# Altium PCB mini-inverter.PcbDoc (part 2 of 3)
Units mil, origin at the board's own origin, x right, y up, seen from the top; angles counter-clockwise.
Board outline 12850 x 6950 mil, 4 copper layers (Top Layer, Lay1, gnd, Bottom Layer), stack 23.756 mil thick; 473 components, 243 nets, 1278 pads, 73 vias.
Unrouted connection lines stored in the file: 289.
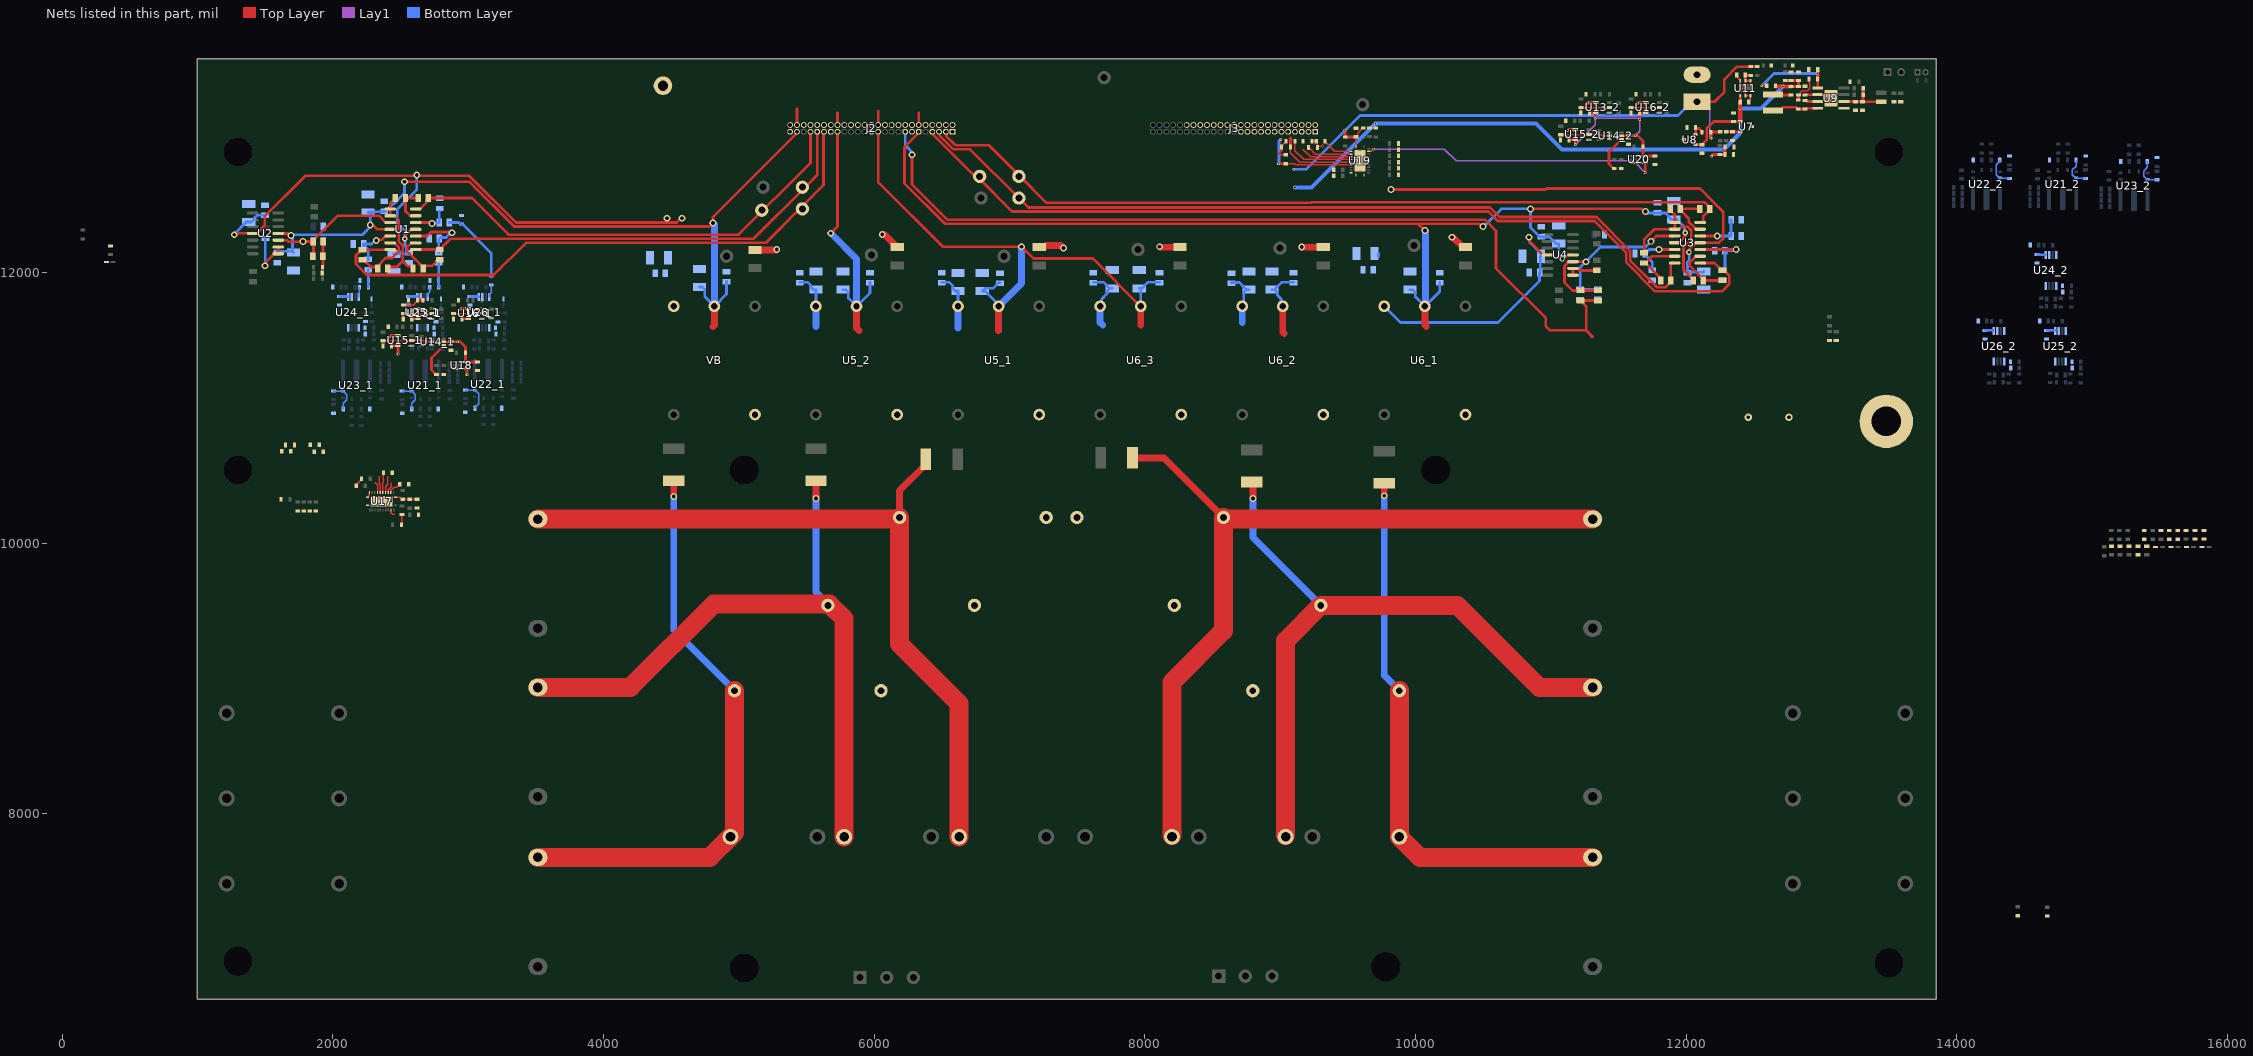
[diagram p3: the nets of this part, all layers, seen from the top]

## Footprints (in the part's own frame and the unit in brackets; to place one, negate y for a bottom-side part, rotate by r counter-clockwise, add the part's x,y. Pads: shape width x height; smd on the part's side, far side on the other; paste and mask are expansions set on the pad) (continued)
SHF-125-01-L-D-RA [mm] "50-Pin Simplus Connector"
  rect 1.09x1.09 hole 0.74 mask+0.381: 01(-15.24,-0.508)
  round 1.09 hole 0.74 mask+0.381: 02(-15.24,0.762) 03(-13.97,-0.508) 04(-13.97,0.762) 05(-12.7,-0.508) 06(-12.7,0.762) 07(-11.43,-0.508) 08(-11.43,0.762) 09(-10.16,-0.508) 10(-10.16,0.762) 11(-8.89,-0.508) 12(-8.89,0.762) 13(-7.62,-0.508) 14(-7.62,0.762) 15(-6.35,-0.508) 16(-6.35,0.762) 17(-5.08,-0.508) 18(-5.08,0.762) 19(-3.81,-0.508) 20(-3.81,0.762) 21(-2.54,-0.508) 22(-2.54,0.762) 23(-1.27,-0.508) 24(-1.27,0.762) 25(0,-0.508) 26(0,0.762) 27(1.27,-0.508) 28(1.27,0.762) 29(2.54,-0.508) 30(2.54,0.762) 31(3.81,-0.508) 32(3.81,0.762) 33(5.08,-0.508) 34(5.08,0.762) 35(6.35,-0.508) 36(6.35,0.762) 37(7.62,-0.508) 38(7.62,0.762) 39(8.89,-0.508) 40(8.89,0.762) 41(10.16,-0.508) 42(10.16,0.762) 43(11.43,-0.508) 44(11.43,0.762) 45(12.7,-0.508) 46(12.7,0.762) 47(13.97,-0.508) 48(13.97,0.762) 49(15.24,-0.508) 50(15.24,0.762)
  silkscreen extent -19.8,-0.61 19.05,7.36, body extent -19.05,-0.71 19.05,7.37, height 5.59
SOD-523_L1.2-W0.8-LS1.6-RD [mm]
  rect 0.93x0.36 smd: 1(-0.635,0) 2(0.635,0)
  silkscreen extent -0.91,-0.55 0.68,0.55
SOIC-14 [mm]
  oval 2.2x0.6 smd: 1(-2.4,3.81) 2(-2.4,2.54) 3(-2.4,1.27) 4(-2.4,0) 5(-2.4,-1.27) 6(-2.4,-2.54) 7(-2.4,-3.81) 8(2.4,-3.81) 9(2.4,-2.54) 10(2.4,-1.27) 11(2.4,0) 12(2.4,1.27) 13(2.4,2.54) 14(2.4,3.81)
  silkscreen extent -2.52,-4.4 0.9,4.78, body extent -2,-4.38 2,4.38, height 1.75
SOT-23-5_L3.0-W1.7-P0.95-LS2.8-BR [mm]
  rect 1x0.6 smd: 1(1.3,-0.95) 2(1.3,0) 3(1.3,0.95) 4(-1.3,0.95) 5(-1.3,-0.95)
  silkscreen extent -0.9,-1.78 1.65,1.55
VISH-TLMX1100_V [mm] "SMD, 2-Leads, Body 1.6x0.8mm"
  rect 0.6x0.8 smd: 1(-0.725,0) 2(0.725,0)
  silkscreen extent 1.53,-0.4 1.53,0.4, body extent -0.8,-0.4 0.8,0.4, height 0.65

## Part data
C1 C6 C11 C16: library part C2012X5R1H225K125AB, "SMD Multilayer Ceramic Capacitor, 2.2 ¦ÌF, 50 V, 0805 [2012 Metric], ¡À 10%, X5R, C"
C2 C4 C7 C9 C12 C14 C17 C19 C23_1 C23_2 C23_3 C25_1 C25_2 C25_3 C28_1 C28_2 C28_3 C30_1 C30_2 C30_3: library part C0805C104J5RACTU, "SMD Multilayer Ceramic Capacitor, 0.1 ¦ÌF, 50 V, 0805 [2012 Metric], ¡À 5%, X7R, C Series KEMET"
C3 C5 C8 C10 C13 C15 C18 C20 C24_1 C24_2 C24_3 C26_1 C26_2 C26_3 C29_1 C29_2 C29_3 C31_1 C31_2 C31_3: library part C3216X7R1H475K160AC, "SMD Multilayer Ceramic Capacitor, 4.7 ¦ÌF, 50 V, 1206 [3216 Metric], ¡À 10%, X7R, C", Package=None, Availability=Unavailable, MP=C1206C120J5GACTU, Price=None
C21: library part 102_Y, "Y Earth Capacitor", Package=None, Availability=Unavailable, MP=C1206C120J5GACTU, Price=None
C22_1 C22_2 C22_3 C27_1 C27_2 C27_3: library part PHE450HF7220JR06L2, "KEMET PHE450 Metallised Polypropylene Film Capacitor, 180 V ac, 250 V dc, ¡À5%, 2.2¦ÌF, Through Hole", Manufacturer_Name=KEMET, Datasheet Link=https://docs.rs-online.com/a458/0900766b817170df.pdf, Height=24.5mm, Manufacturer_Part_Number=PHE450HF7220JR06L2
C32 C33 C34 C35 C36 C37 C38 C39 C40 C41 C42 C43 C44 C45 C46 C47 C48 C50 C51 C54 C55_1 C55_2 C56_1 C56_2 C57_1 C57_2 C58_1 C58_2 C59_1 C59_2 C60_1 C60_2 C61_1 C61_2 C62 C63 C64 C65 C66 C67 C68 C69 C70 C71 C72 C73 C74 C75 C76 C77 C78 C79 C80 C81 C82 C83 C84_1 C84_2 C85_1 C85_2 C86_1 C86_2 C87_1 C87_2 C88_1 C88_2 C89_1 C89_2 C90_1 C90_2 C91_1 C91_2 C92_1 C92_2 C93_1 C93_2 C94_1 C94_2 C95_1 C95_2 C96_1 C96_2 C97_1 C97_2 C98_1 C98_2 C99_1 C99_2 C100_1 C100_2 C101_1 C101_2 C102_1 C102_2 C103_1 C103_2 C104_1 C104_2 C105_1 C105_2 C106_1 C106_2 C107_1 C107_2 C108_1 C108_2 C109_1 C109_2 C110_1 C110_2 C111_1 C111_2 C112_1 C112_2 C113_1 C113_2 C114_1 C114_2 C115_1 C115_2 C116_1 C116_2 C117_1 C117_2 C118_1 C118_2 C119_1 C119_2: library part Cap, "Capacitor", LatestRevisionDate=17-Jul-2002, LatestRevisionNote="Re-released for DXP Platform.", PackageDescription="Radial Cap, Thru-Hole; 2 Leads; 0.3 in Pin Spacing", PackageReference=RAD-0.3, Published=8-Jun-2000, Publisher="Altium Limited"
C53: library part CE, "Ö±²åµç½âµçÈÝ", BOMÃû³Æ=Ö±²åµç½âµçÈÝ, ÌÔ±¦ID="·â×°¿âÀ´×ÔÌÔ±¦ ID£º»Æ¾§±¦Ê¯", ÁªÏµÊÛºó=https://shop463601444.taobao.com
D1 D2 D3 D4 D5 D6 D7 D8: Average Rectified Current (Io)=70mA, Forward Voltage (Vf@If)=1V@15mA, JLCPCB Part Class="Extended Part", LCSC Part Name="µçÑ¹:70V µçÁ÷:70mA", Manufacturer=Nexperia(°²ÊÀ), Reverse Leakage Current (Ir)=10uA@70V, Reverse Voltage (Vr)=70V, Add into BOM=yes, Convert to PCB=yes, Datasheet=https://atta.szlcsc.com/upload/public/pdf/source/20180622/C194653_3DF408F362D9AF6B8137F44B9C19B985.pdf, Device=1PS79SB70,115, Manufacturer Part=1PS79SB70,115, Supplier=LCSC, Supplier Footprint=SOD-523, Supplier Part=C179321, Symbol=1PS79SB70,115
DS1 DS2: library part CMP-1666-00027-1_1, "LED, RED, 2.1 V, -40 to 100 degC, 2-Pin SMD (0603), RoHS, Tape and Reel", Capacitance="12 pF", Case Code (Imperial)=0603, Case Code (Metric)=1608, Max Operating Temperature=125degC, Min Operating Temperature=-55degC, Package Quantity=4000, Resistance="100000000000 Ohm", Tolerance=5%, Type (Capacitors)=C0G, Voltage Rating="50 V", Case/Package=0603, ComponentLink1Description="Manufacturer URL", ComponentLink1URL=http://www.vishay.com/, ComponentLink2Description=Datasheet, ComponentLink2URL=http://www.vishay.com/docs/83173/tlmb1100.pdf, DatasheetVersion="Rev. 2.7, 03/2016", Height="0.8 mm", Length="1.6 mm", Mount="Surface Mount", PackageDescription="2-Pin Surface Mount Device, Body 1.6 x 0.8 mm", PackageReference=TLMX1100, Packaging="Tape and Reel", Pins=2, Radiation Hardening=No, REACH SVHC="No SVHC", RoHSCompliant=True, Voltage Rating (DC)="50 V", Width="0.8 mm"
J2 J3: library part SHF-125-01-L-D-RA, "50-Pin Simplus Connector", Package=None, Availability=Unavailable, MF=Samtec, MP=SHF-125-01-L-D-RA, Price=None
J4 J7: library part 3PinTerminal, "3 Position Terminal Block 5.08mm", Digikey Part Number=ED2610-ND, Manufacturer="On Shore Technology", Package=HDR03, Part Number=OSTTC032162, Temperature="-30¡ãC to +105¡ãC", Temperature Range High=+105¡ãC, Temperature Range Low=-30¡ãC, Voltage=300V, ComponentLink1Description=Upverter, ComponentLink1URL=https://upverter.com/upn/revision/2b80058b23306b34/, ComponentLink2Description=Datasheet, ComponentLink2URL=https://upverter.com/datasheet/d9a5d2e095ec14efdc364e45047c257fc4ca76eb.pdf, Digikey Description="CONN TERM BLOCK 5.08MM VERT 3POS PCB", helpURL=https://upverter.com/upn/revision/2b80058b23306b34/, Is Female=yes, Lead Free=yes, Price=0.382016875697, RoHS=TRUE, Supplier 1=Digi-Key, Supplier 2=Mouser, Supplier Part Number 1=ED2610-ND
L1 L2: library part "30mH Custom CM Choke", "30mH Custom CM Choke", Manufacturer_Name="Wurth Elektronik", Manufacturer_Part_Number=744839029220, Mouser Part Number=710-744839029220, Datasheet Link=https://componentsearchengine.com//744839029220.pdf, Height=39mm, Mouser Price/Stock=https://www.mouser.co.uk/ProductDetail/Wurth-Elektronik/744839029220?qs=MoCBKJu1Jj15mDhjF%2F4U%252Bg%3D%3D
L3_1 L3_2 L3_3 L5_1 L5_2 L5_3: library part "4mH Custom Inductor"
L4_1 L4_2 L4_3 L6_1 L6_2 L6_3: library part "380uH Custom Inductor"
L7 L8: library part L-NR, "NR´Å½ºµç¸Ð", BOMÃû³Æ=NR´Å½ºµç¸Ð, °æÈ¨¹éÊô="À´×ÔÌÔ±¦ ID£º»Æ¾§±¦Ê¯", ÁªÏµÊÛºó=https://shop463601444.taobao.com
P1: "Header, 2-Pin", LatestRevisionDate=17-Jul-2002, LatestRevisionNote="Re-released for DXP Platform.", Publisher="Altium Limited"
R1 R3 R7 R9: library part CRCW080520K0FKEA, "SMD Chip Resistor, 20 kohm, ¡À 1%, 125 mW, 0805 [2012 Metric], Thick Film, General Purpose", Package="6432 Stackpole", Availability=Good, DigiKey-Purchase-URL=https://snapeda.com/shop?store=DigiKey&id=836123, MF=Bourns, Mouser-Purchase-URL=https://snapeda.com/shop?store=Mouser&id=836123, MP=CRE2512-FZ-R007E-3, Price=None, SnapEDA_Link=https://www.snapeda.com/parts/CRE2512-FZ-R007E-3/Bourns/view-part/836123/?ref=snap
R2 R6 R8 R12 R17_1 R17_2 R17_3 R20_1 R20_2 R20_3 R21_1 R21_2 R21_3 R24_1 R24_2 R24_3: library part CRCW0805200KFKEA, "SMD Chip Resistor, 200 kohm, ¡À 1%, 125 mW, 0805 [2012 Metric], Thick Film, General Purpose", Package="6432 Stackpole", Availability=Good, DigiKey-Purchase-URL=https://snapeda.com/shop?store=DigiKey&id=836123, MF=Bourns, Mouser-Purchase-URL=https://snapeda.com/shop?store=Mouser&id=836123, MP=CRE2512-FZ-R007E-3, Price=None, SnapEDA_Link=https://www.snapeda.com/parts/CRE2512-FZ-R007E-3/Bourns/view-part/836123/?ref=snap
R4 R5 R10 R11 R18_1 R18_2 R18_3 R19_1 R19_2 R19_3 R22_1 R22_2 R22_3 R23_1 R23_2 R23_3: library part CRCW080510K0FKEA, "SMD Chip Resistor, 10 kohm, ¡À 1%, 125 mW, 0805 [2012 Metric], Thick Film, General Purpose", Package="6432 Stackpole", Availability=Good, DigiKey-Purchase-URL=https://snapeda.com/shop?store=DigiKey&id=836123, MF=Bourns, Mouser-Purchase-URL=https://snapeda.com/shop?store=Mouser&id=836123, MP=CRE2512-FZ-R007E-3, Price=None, SnapEDA_Link=https://www.snapeda.com/parts/CRE2512-FZ-R007E-3/Bourns/view-part/836123/?ref=snap
R13_1 R13_2 R13_3 R15_1 R15_2 R15_3: library part MCHP122WF1002T4E, "SMD Chip Resistor, 10 kohm, ¡À 1%, 2 W, 2512 [6432 Metric], Thick Film, High Power", Package="6432 Stackpole", Availability=Good, DigiKey-Purchase-URL=https://snapeda.com/shop?store=DigiKey&id=836123, MF=Bourns, Mouser-Purchase-URL=https://snapeda.com/shop?store=Mouser&id=836123, MP=CRE2512-FZ-R007E-3, Price=None, SnapEDA_Link=https://www.snapeda.com/parts/CRE2512-FZ-R007E-3/Bourns/view-part/836123/?ref=snap
R14_1 R14_2 R14_3 R16_1 R16_2 R16_3: library part CRCW1206130RFKEA, "SMD Chip Resistor, 130 ohm, ¡À 1%, 250 mW, 1206 [3216 Metric], Thick Film, General Purpose", Package="6432 Stackpole", Availability=Good, DigiKey-Purchase-URL=https://snapeda.com/shop?store=DigiKey&id=836123, MF=Bourns, Mouser-Purchase-URL=https://snapeda.com/shop?store=Mouser&id=836123, MP=CRE2512-FZ-R007E-3, Price=None, SnapEDA_Link=https://www.snapeda.com/parts/CRE2512-FZ-R007E-3/Bourns/view-part/836123/?ref=snap
R25 R26 R27 R28 R29 R30 R31 R32 R33 R34 R35 R36 R37 R38 R42 R43 R55 R56 R57_1 R57_2 R58_1 R58_2 R59_1 R59_2 R60_1 R60_2 R61_1 R61_2 R62_1 R62_2 R63_1 R63_2 R64_1 R64_2 R65_1 R65_2 R68 R69 R70 R71 R72 R73 R74 R75 R76 R77 R78 R79 R80 R81 R82 R83 R84 R85 R86 R87 R88 R89 R90 R91 R92 R93 R94 R95 R96 R97 R98 R99 R102 R103 R104 R105 R106 R107 R108 R109 R110 R111 R112 R113 R114 R115 R116 R117 R118 R119 R120 R121 R122 R123 R124_1 R124_2 R125_1 R125_2 R126_1 R126_2 R127_1 R127_2 R128_1 R128_2 R129_1 R129_2 R130_1 R130_2 R131_1 R131_2 R132_1 R132_2 R133_1 R133_2 R134_1 R134_2 R135_1 R135_2 R136_1 R136_2 R137_1 R137_2 R138_1 R138_2 R139_1 R139_2 R140_1 R140_2 R141_1 R141_2 R142_1 R142_2 R143_1 R143_2 R144_1 R144_2 R145_1 R145_2 R146_1 R146_2 R147_1 R147_2 R148_1 R148_2 R149_1 R149_2 R150_1 R150_2: library part "0603 100K¦¸ (1003) 1%_4", "ÌùÆ¬µç×è", Package=0603, SuppliersPartNumber=C25803, ComponentLink1Description=¹©Ó¦ÉÌÁ´½Ó, ComponentLink1URL=http://www.szlcsc.com/product/details_26546.html, Supplier=LC
R66 R67 R100 R101: library part Res, "Resistor 0402", LatestRevisionDate=17-Jul-2002, LatestRevisionNote="Re-released for DXP Platform.", PackageDescription="Axial Device, Thru-Hole; 2 Leads; 0.4 in Pin Spacing", PackageReference=AXIAL-0.4, Published=8-Jun-2000, Publisher="Altium Limited"
TP1 TP2 TP3 TP4 TP5 TP6 TP7 TP8 TP9 TP10 TP12 TP13 TP14 TP15 TP16 TP18: library part PCBTestpoint, "20-313143 PCB Test Point, White, Through Hole Mount, 1.32 mm, Phosphor Bronze, Tin Plated Contacts"
TP19: library part GroundTestPoint, "H2182-01 PCB Test Point, PCB Mount, 1.9 mm, Brass, Tin Plated Contacts"
U1 U2 U3 U4: library part TL074D, "Quad, 30-V, 3-MHz, high slew rate (13-V/¦Ìs), In to V+, JFET-input op amp"
U5_1 U5_2 U6_1 U6_2 U6_3 VB: "Undefined or Miscellaneous", Manufacturer_Name=LEM, Manufacturer_Part_Number=LV25P
U7 U8: library part CMP-0367-00146-2, "30 ppm / degC Drift, 3.9 uA Voltage Reference, -40 to 125 degC, 3-pin SOT-23 (DBZ), Green (RoHS & no Sb/Br)", Manufacturer="Texas Instruments", Rating=Catalog, Temp Coeff(Max)(ppm/ degree C)=30, Temp Coeff(Typ)(ppm/ degree C)=8, Code_JEDEC=TO-236, ComponentLink1Description="Manufacturer URL", ComponentLink1URL=http://www.ti.com/, ComponentLink2Description=Datasheet, ComponentLink2URL=http://www.ti.com/general/docs/lit/getliterature.tsp?genericPartNumber=REF3333&fileType=pdf, ComponentLink3Description="Package Specification", ComponentLink3URL=http://www.ti.com/litv/pdf/mpds108a, ComponentLink4Description="URL Link1", ComponentLink4URL="Samples URL:http://www.ti.com/product/ref3333", DatasheetVersion=SBOS392A, Eco-Plan="Green (RoHS & no Sb/Br)", Initial Accuracy @ 25/deg C(%)=0.15, Iout/Iz(Max)(mA)=5, Iq(Max)(uA)=5, Mounting Technology="Surface Mount", PackageDescription="3-Pin Plastic Small Outline, Body 2.92 x 1.3 mm, Pitch 0.95 mm", PackageReference=DBZ0003A, PackageVersion=4203227/B, PartNumber=REF3333AIDBZR, SubFamily="Series Voltage Reference", VI(Max)(V)=5.5, VI(Min)(V)=3.5, VO(V)=3.3
U9: library part LM5017MRXNOPB, "No Description Available", Mfr_Name="Texas Instruments", Copyright="Copyright (C) 2024 Ultra Librarian. All rights reserved.", Manufacturer_Part_Number=LM5017MRX/NOPB, RefDes=RefDes, Type=DEV
U11: library part CMP-0062-01590-5, "IC REG LINEAR 3.3V 500MA 6WSON", Dropout Voltage=330mV, Max Input Voltage=10V, Max Operating Temperature=125¡ãC, Max Output Current=500mA, Min Input Voltage=2.7V, Min Operating Temperature=-40¡ãC, Nominal Output Voltage=3.3V, Output Voltage Accuracy=2%, Package Quantity=1000, Quiescent Current=100uA, Accuracy=2%, Contact Plating=Tin, Height=0.86mm, Lead Free="Lead Free", Length=3mm, Mount="Surface Mount", Number of Outputs=1, Number of Pins=6, Number of Regulators=1, Output Current=500mA, Output Type=Fixed, Output Voltage=3.3V, Packaging="Tape and Reel", Polarity=Positive, Radiation Hardening=No, REACH SVHC="No SVHC", Width=3mm
U13_1 U13_2 U15_1 U15_2 U16_1 U16_2: Input Bias Current (Ib)=5nA, Input Hysteresis Voltage (Vhys)=1.2mV, Input Offset Voltage (Vos)=1mV, JLCPCB Part Class="Extended Part", Manufacturer=TI(µÂÖÝÒÇÆ÷), Operating Temperature=-40¡æ~+125¡æ, Supply Current=40uA, Supply Voltage=2.7V~5.5V, Add into BOM=yes, Common Mode Rejection Ratio (CMRR)=70dB, Convert to PCB=yes, Datasheet=https://www.ti.com/cn/lit/gpn/tlv3201, Device=TLV3201AIDBVR, LCSC Part Name=TLV3201AIDBVR, Manufacturer Part=TLV3201AIDBVR, Output Mode=-, Output Type=ÍÆÍì, Propagation Delay Time=40ns, Rail-to-Rail=-, Supplier=LCSC, Supplier Footprint=SOT-23-5, Supplier Part=C105188, Symbol=TLV3201AIDBVR
U14_1 U14_2: library part CMP-0859-00464-4, "IC GATE OR 1CH 3-INP SC70-6", Ambient Temperature Range High=+125¡ãC, Ambient Temperature Range Low=-40¡ãC, Manufacturer="Texas Instruments", Max Supply Voltage=5.5V, Min Supply Voltage=1.65V, Nominal Supply Current=10uA, Package=DCK0006A, Temperature="-40¡ãC to +125¡ãC", Automotive=No, Category=IC, ComponentLink2Description=Datasheet, ComponentLink2URL=http://www.ti.com/lit/ds/symlink/sn74lvc1g332.pdf, Device Class L1="Integrated Circuits (ICs)", Device Class L2="Logic ICs", Device Class L3="Logic Gates", Digikey Description="IC GATE OR 1CH 3-INP SC70-6", Height=1.1mm, Lead Free=Yes, Logic Function Desc=Non-Inverting, Manufacturer Part Number=SN74LVC1G332DCKR, Mouser Description="Logic Gates Single 3-Input Pos- OR Gate", Number Of Circuits=1, Number Of Inputs=3, Number of Outputs=1, Octopart=https://octopart.com/sn74lvc1g332dckr-texas+instruments-464861, Propagation Delay=20ns, RoHS=TRUE, Standoff Height=0mm, Temperature Range High=+125¡ãC, Temperature Range Low=-40¡ãC
U17 U19: "No Description Available", Manufacturer="Texas Instruments", PartNumber=SN74AVC8T245RHL, CompType=IC, Copyright="Copyright (C) 2024 Ultra Librarian. All rights reserved.", Manufacturer_Part_Number=SN74AVC8T245RHLR, Mfr_Name="Texas Instruments", MountType=SMT, PackageReference=RHL0024A, RefDes=RefDes, RoHS=Y, Type=DEV
U18 U20: library part CMP-0859-00376-4, "IC GATE OR 1CH 2-INP SC70-5", Case/Package=SC, High Level Output Current=-32mA, Low Level Output Current=32mA, Max Operating Temperature=125¡ãC, Max Supply Voltage=5.5V, Min Operating Temperature=-40¡ãC, Min Supply Voltage=1.65V, Package Quantity=1, Quiescent Current=10uA, Contact Plating=Gold, Height=0.9mm, Lead Free="Lead Free", Length=2mm, Logic Function=OR, Max Output Current=32mA, Mount="Surface Mount", Number of Bits=1, Number Of Circuits=1, Number of Elements=1, Number of Gates=1, Number of Input Lines=2, Number Of Inputs=2, Number of Output Lines=1, Number of Outputs=1, Number of Pins=5, Output Current=32mA, Packaging="Tape and Reel", Propagation Delay=4ns, Radiation Hardening=No, REACH SVHC="No SVHC", Schmitt Trigger Input=No, Termination=SMD/SMT, Turn-On Delay Time=4.5ns, Weight=8.8E-05oz, Width=1.25mm
U21_1 U21_2 U22_1 U22_2 U23_1 U23_2: library part CMP-04912-000022-2, "None", Case/Package=QFN, Max Operating Temperature=125¡ãC, Min Operating Temperature=-40¡ãC, Output Current per Channel=10A, Interface=Logic, Mount="Surface Mount", Number of Pins=9, Packaging="Cut Tape", RoHS Compliant=Yes
U24_1 U24_2 U25_1 U25_2 U26_1 U26_2: "No Description Available", Mfr_Name="Texas Instruments", Copyright="Copyright (C) 2024 Ultra Librarian. All rights reserved.", Manufacturer_Part_Number=INA240A1PW, RefDes=RefDes, Type=DEV

## Via types
v1: diameter 50, hole 28, Top Layer to Bottom Layer, 40 vias
v2: diameter 20, hole 12, Top Layer to Bottom Layer, 29 vias
v3: diameter 40, hole 20, Top Layer to Bottom Layer, 4 vias

## Nets (pads, with @x,y where several pads share a name; then routed paths per layer and width w, separated by ;. In a path a pad name is that pad's centre, name@x,y a point inside that pad or via, vN(x,y) a via of type N, cw(c..) or ccw(c..) an arc to the next point about the centre after c; other vN are vias at no path point)
1.65A: R22_1.1 R22_2.1 R22_3.1 U1.1 U1.2 | length 780.3
  Top Layer w20: R22_1.1@2400,12040 2472.6,12040 2516.93,12084.33 ; R22_3.1@2462.6,12550 2462.6,12541.14 2452.52,12531.06 2444.02,12531.06 2423.62,12510.67 U1.1@2423.62,12468.86 U1.2@2423.62,12418.86 2455.12,12418.86 2486.93,12387.05 2486.93,12229.47 2516.93,12199.47 2516.93,12084.33 ; R22_2.1@2592.6,12030 2592.6,12034.97 2582.52,12045.05 2556.21,12045.05 2516.93,12084.33
1.65B: R18_1.1 R18_2.1 R18_3.1 U3.1 U3.2 | length 1086.5
  Top Layer w20: R18_1.1@11690,12144.8 11690,12243.64 11765.67,12319.31 11914.82,12319.31 U3.2@11915.51,12320 ; R18_3.1@11882.6,12470 11882.6,12461.14 11915.51,12428.23 U3.1@11915.51,12370 U3.2@11915.51,12320 ; R18_2.1@12052.6,11940 12052.6,11948.86 11981.18,12020.28 11981.18,12184.33 12038.46,12241.62 12038.46,12312.1 12012.1,12338.46 11966.45,12338.46 11947.99,12320 U3.2@11915.51,12320
1.65C: R4.1 U2.1 U2.2 | length 449.1
  Top Layer w20: v1(1500,12050) 1505.74,12055.74 1505.74,12079.01 1564.41,12137.68 1587.68,12137.68 1588.86,12138.86 1595.41,12138.86 1597.09,12140.53 U2.2@1597.09,12188.86 U2.1@1597.09,12138.86
  Bottom Layer w20: v1(1500,12050) 1501.3,12051.3 1501.3,12250.16 R4.1@1502.6,12251.46
1.65D: R10.1 U4.1 U4.2 | length 251.1
  Top Layer w20: U4.1@11135.74,11978.33 11162.82,11978.33 U4.1@11164.49,11980 U4.2@11164.49,12030 11196.96,12030 11211.77,12015.2 R10.1@11330,12015.2
3.3A: C1.2 R1.2 R77.2 | length 174.1
  Top Layer w20: R77.2@1923,12040 1923,12044.92 1927.4,12049.32 C1.2@1927.4,12120 ; C1.2@1924.49,12138.86 1927.24,12141.61 1927.24,12226.1 R1.2@1930,12228.86
3.3B: C11.2 J2.15 R7.2 R106.2 | length 6477.9
  Top Layer w20: v1(6280,12870) 6280,12650 6540,12390 10513.64,12390 10596.08,12307.56 10596.08,12029.96 10963.61,11662.44 10963.61,11645.87 10962.44,11644.7 10962.44,11605.3 10995.18,11572.56 11262.44,11572.56 ; R7.2@11220,11792.6 R7.2@11228.86,11792.6 ; 11300.5,11525 11310,11525 11262.44,11572.56 ; C11.2@11350,11792.6 R7.2@11228.86,11792.6 ; R7.2@11228.86,11792.6 11238.94,11782.52 11238.94,11773.66 11262.44,11750.16 11262.44,11572.56
  Bottom Layer w20: J2.15@6230,13040 6230,12940 6280,12890 v1(6280,12870)
3V3: C55_1.1 C55_2.1 C57_1.1 C57_2.1 C58_1.1 C58_2.1 C60_1.1 C60_2.1 C62.1 C72.1 C73.1 C83.1 C111_1.2 C111_2.2 C115_1.2 C115_2.2 C119_1.2 C119_2.2 D1.1 D2.1 D3.1 D4.1 D5.1 D6.1 D7.1 D8.1 J17.1 R25.2 R30.2 R42.2 R43.2 R66.2 R70.1 R92.1 R100.2 R105.1 R121.1 U13_1.5 U13_2.5 U14_1.5 U14_2.5 U15_1.5 U15_2.5 U16_1.5 U16_2.5 U17.1 U18.5 U19.1 U20.5 U24_1.5 U24_2.5 U25_1.5 U25_2.5 U26_1.5 U26_2.5 | length 7085.9
  Top Layer w10: U17.1@2464.33,10339.02 2495.88,10339.02 2511.04,10323.86 R70.1@2515.96,10323.86 2516.04,10323.78 2621.62,10323.78 C62.1@2621.71,10323.69 C62.1@2622.31,10323.09 ; v2@9101.25,12763.09 v2(9101.86,12762.48) ; C73.1@9559.71,13002.38 9566.6,13002.38 9573.41,13009.19 9573.41,13027.35 9593.41,13047.35 9593.41,13051.47 9610.32,13068.38 R100.2@9615.24,13068.38 ; C73.1@9560.2,12998.31 9560.2,12929.8 U19.1@9560.47,12929.53
  Top Layer w15: U14_1.5@2820.42,11487.72 C57_1.1@2871.23,11487.72 ; U14_2.5@11521.91,13009.93 C57_2.1@11572.72,13009.93
  Top Layer w20: C58_1.1@2434,11457.49 2435.3,11458.79 2478.84,11458.79 U15_1.5@2480.14,11460.09 2480.7,11460.09 2482.51,11458.28 v2(2482.51,11397.49) ; C55_1.1@2584,11657.49 2585.3,11658.79 2628.84,11658.79 U13_1.5@2630.14,11660.09 ; C57_1.1@2871.23,11487.72 2871.46,11487.49 v2(2922.51,11487.49) 2942.51,11487.49 2980,11450 R92.1@2980,11406.78 2980,11340.98 2981.81,11339.16 U18.5@2985.98,11339.16 C72.1@3070.24,11339.09 ; C60_1.1@2954,11657.49 2955.3,11658.79 2998.84,11658.79 U16_1.5@3000.14,11660.09 ; v2(9480,13050) 9481.25,13048.75 R105.1@9481.25,13001.24 C73.1@9557.26,13001.24 ; C58_2.1@11135.49,12979.71 11136.79,12981.01 11180.33,12981.01 U15_2.5@11181.32,12982 ; v2(11181.32,12945) U15_2.5@11181.32,12982 ; U15_2.5@11181.63,12982.31 U15_2.5@11181.32,12982 ; C55_2.1@11285.49,13179.71 11286.79,13181.01 U13_2.5@11329.84,13181.01 ; v2(11329.33,13138.74) 11329.33,13180.5 U13_2.5@11329.84,13181.01 ; U13_2.5@11331.63,13182.31 11330.33,13181.01 U13_2.5@11329.84,13181.01 ; C57_2.1@11572.72,13009.93 11572.95,13009.71 v2(11624,13009.71) 11644,13009.71 11681.49,12972.22 11681.49,12863.19 11683.3,12861.38 U20.5@11687.47,12861.38 ; v2(11657.41,13130.44) 11655.49,13132.36 C60_2.1@11655.49,13179.71 11656.79,13181.01 11700.33,13181.01 U16_2.5@11701.63,13182.31 ; U20.5@11687.51,12861.34 C83.1@11771.73,12861.31 ; J17.1@12041.18,13261.79 J17.1@12081.18,13261.79 12211.18,13261.79 12283.04,13333.65 12283.04,13426.84 12377.39,13521.2 R42.2@12477.05,13521.2 12477.24,13521.39 12527.26,13521.39 R43.2@12527.45,13521.58 ; v2(12183.72,12991.81) R30.2@12183.72,13037.79 12184.52,13038.59 12251.15,13038.59 R25.2@12251.95,13039.39
  Lay1 w10: v2(11181.32,12945) 11329.33,13093.01 v2(11329.33,13138.74) 11645.67,13138.74 11652.06,13132.35 11655.5,13132.35 v2(11657.41,13130.44) 11657.41,13043.13 v2(11624,13009.71) ; J17.1@12081.18,13261.79 12121.18,13261.79 12176.18,13206.79 12176.18,13002.06 12183.72,12994.52 v2(12183.72,12991.81)
  Bottom Layer w10: v2@9101.25,12763.09 v2(9101.86,12762.48)
  Bottom Layer w20: C111_1.2@2050,11822.99 2109.14,11822.99 U24_1.5@2111.2,11820.93 ; C115_1.2@2560,11822.99 U25_1.5@2618.21,11822.99 ; C119_1.2@3015.32,11822.99 3073.53,11822.99 U26_1.5@3076.53,11820 ; v2(9101.86,12762.48) 9192.48,12762.48 v2(9480,13050) 9590,13160 11655.49,13160 ; v2(11657.41,13130.44) 11655.49,13132.36 11655.49,13160 ; J17.1@12081.18,13261.79 12041.18,13261.79 11939.39,13160 11655.49,13160 ; C119_2.2@14209.55,11572.07 14267.76,11572.07 U26_2.5@14270.76,11569.07 ; C111_2.2@14594.23,12132.07 14653.37,12132.07 U24_2.5@14655.44,12130 ; C115_2.2@14664.23,11572.07 U25_2.5@14722.44,11572.07
3V3_LaunchPad_IN: J17.2
5V: C33.1 C35.2 C37.1 C39.1 C40.2 C41.2 C50.2 R29.2 R33.2 R67.2 R101.2 R124_1.2 R124_2.2 R127_1.2 R127_2.2 R130_1.2 R130_2.2 U7.1 U8.1 U11.1 | length 5141.6
  Top Layer w20: U8.1@12069.97,12944.83 12070.23,12944.58 12116.87,12944.58 C39.1@12117.13,12944.32 12124.02,12944.32 12125.83,12946.13 12125.83,12953.02 12151.91,12979.1 12151.91,13062.81 12205.24,13116.14 12344.36,13116.14 12345.32,13115.18 U7.1@12400.51,13115.17 U7.1@12400.75,13115.42 ; C50.2@12400,13260 12400.29,13260.29 12400.29,13306.39 U11.1@12400.57,13306.67 ; R29.2@12731.2,13419.15 12731.26,13419.09 12830.56,13419.09 C40.2@12830.62,13419.03 C37.1@12830.62,13374.68 C35.2@12776.68,13374.68
  Top Layer w30: v2(12398.88,13212.22) 12400.51,13210.59 U7.1@12400.51,13115.17 ; v2@12400,13212.22 C50.2@12400,13260 ; R33.2@12661.6,13374.68 C35.2@12776.68,13374.68
  Bottom Layer w30: v2(9110,12627.98) 9233.65,12627.98 9705.68,13100 10892.52,13100 11082.52,12910 12280,12910 12398.88,13028.88 v2(12398.88,13212.22) 12553.16,13212.22 v2(12716.29,13375.35)
  other v2: 9705.04,13099.36
+15V: C2.2 C3.2 C7.2 C8.2 C12.2 C13.2 C17.2 C18.2 C23_1.2 C23_2.2 C23_3.2 C24_1.2 C24_2.2 C24_3.2 C28_1.2 C28_2.2 C28_3.2 C29_1.2 C29_2.2 C29_3.2 J2.11 J2.23 J2.35 J2.47 U1.4 U2.4 U3.4 U4.4 U5_1.3 U5_2.3 U6_1.3 U6_2.3 U6_3.3 VB.3 | length 21227.2
  Top Layer w20: U2.4@1597.09,12288.86 1597.78,12288.17 1666.45,12288.17 ; v1@2298.12,12350 2329.26,12318.86 U1.4@2423.62,12318.86 ; v1(2530,12670) 3010,12670 3340.79,12339.21 4783.28,12339.21 4809.07,12365 v1(4810,12365) 4810,12411.37 5421.46,13022.83 5421.46,13025.26 5430,13033.8 J2.47@5430,13040 ; v1(5680,12290) 5730,12340 J2.35@5730,13040 ; J2.23@6030,13040 6030,12667.57 6507.57,12190 v1(7090,12190) 7177.4,12102.6 7617.4,12102.6 U6_3.3@7970,11750 ; J2.11@6330,13040 6321.46,13040 6321.46,13022.83 6225,12926.37 6225,12657.43 6522.43,12360 10020,12360 ; v1(10070,12310) 10020,12360 ; v1(10500,12340) 10493.28,12340 10473.28,12360 10020,12360 ; v1(10850,12470) 11671.88,12470 11691.88,12450 v1(11700,12450) ; v3(11085,12100) 11093.12,12100 11108.88,12115.76 11117.77,12115.76 11132.01,12130 U4.4@11164.49,12130 ; U3.4@11915.51,12220 11916.69,12221.18 11948.19,12221.18 11991.61,12264.6 11991.61,12291.61 v3(11993.46,12293.46)
  Top Layer w50: 4810,11600 4820,11610 VB.3@4820,11750 ; U5_2.3@5870,11750 5870,11590 5890,11570 ; 6920,11570 U5_1.3@6920,11750 ; 7970,11610 U6_3.3@7970,11750 ; U6_2.3@9020,11750 9020,11560 9030,11550 ; U6_1.3@10070,11750 10070,11610 10080,11600
  Bottom Layer w20: C7.2@1590,12157.4 1699.53,12157.4 C8.2@1710,12146.93 ; C8.2@1698.41,12161.59 1702.6,12165.79 1702.6,12260.14 v1(1690.36,12272.38) 1695.77,12277.8 2217.8,12277.8 v1@2290,12350 ; C3.2@2260,12443.07 2264.76,12447.83 2375.24,12447.83 C2.2@2380,12452.6 2388.86,12452.6 2443.23,12506.97 2450.71,12506.97 2530,12586.26 v1(2530,12670) ; v1(2277.4,12351.14) C3.2@2277.4,12435.67 ; C3.2@2282.6,12441.93 C3.2@2302.28,12441.93 ; C24_3.2@4710,11893.07 4729.69,11893.07 4749.21,11873.54 4749.21,11820.79 VB.3@4820,11750 4910,11840 C23_3.2@4910,11936.22 ; C24_2.2@5770,11873.07 5789.69,11873.07 5809.21,11853.54 5809.21,11810.79 U5_2.3@5870,11750 5970,11850 C23_2.2@5970,11928.11 ; U5_1.3@6920,11750 6920,11762.76 6819.69,11863.07 C24_1.2@6800,11863.07 6819.53,11882.6 6877.52,11882.6 6921.14,11926.22 C23_1.2@6930,11926.22 ; U6_3.3@7970,11750 7970,11873.07 C29_3.2@7960,11883.07 7979.69,11883.07 8024.72,11928.11 C28_3.2@8110,11928.11 ; C29_2.2@8940,11873.07 C29_2.2@8959.68,11873.07 ; U6_2.3@9020,11750 9007.25,11762.75 9007.25,11805.82 8979.21,11833.86 8979.21,11853.54 C29_2.2@8959.68,11873.07 ; C28_2.2@9100,11928.11 9014.72,11928.11 C29_2.2@8959.68,11873.07 ; C29_1.2@9960,11873.07 9979.68,11873.07 9999.21,11853.54 9999.21,11820.79 U6_1.3@10070,11750 10074.21,11754.21 10180,11860 C28_1.2@10180,11928.11 ; v1(10500,12340) 10505,12340 10635,12470 v1(10850,12470) 10850,12333.74 10921.14,12262.6 10990.79,12262.6 11040.32,12213.07 C18.2@11060,12213.07 11060,12133.12 11085,12108.12 v3(11085,12100) ; v1(11700,12450) 11708.12,12450 11718.12,12440 C12.2@11790,12440 11848.94,12440 11870.79,12418.15 11870.79,12412.6 11890.32,12393.07 C13.2@11910,12393.07 11929.68,12393.07 11987.72,12335.03 11987.72,12299.2 v3(11993.46,12293.46)